# Altium PCB CSU RevA_ASCII.PcbDoc (part 3 of 5)
Units mil, origin at the board's own origin, x right, y up, seen from the top; angles counter-clockwise.
Board outline 5905.51 x 4330.71 mil, 8 copper layers (Top Layer, InternalPlane1, MidLayer1, InternalPlane2, MidLayer2, InternalPlane3, MidLayer3, Bottom Layer); 264 components, 385 nets, 1908 pads, 1139 vias.
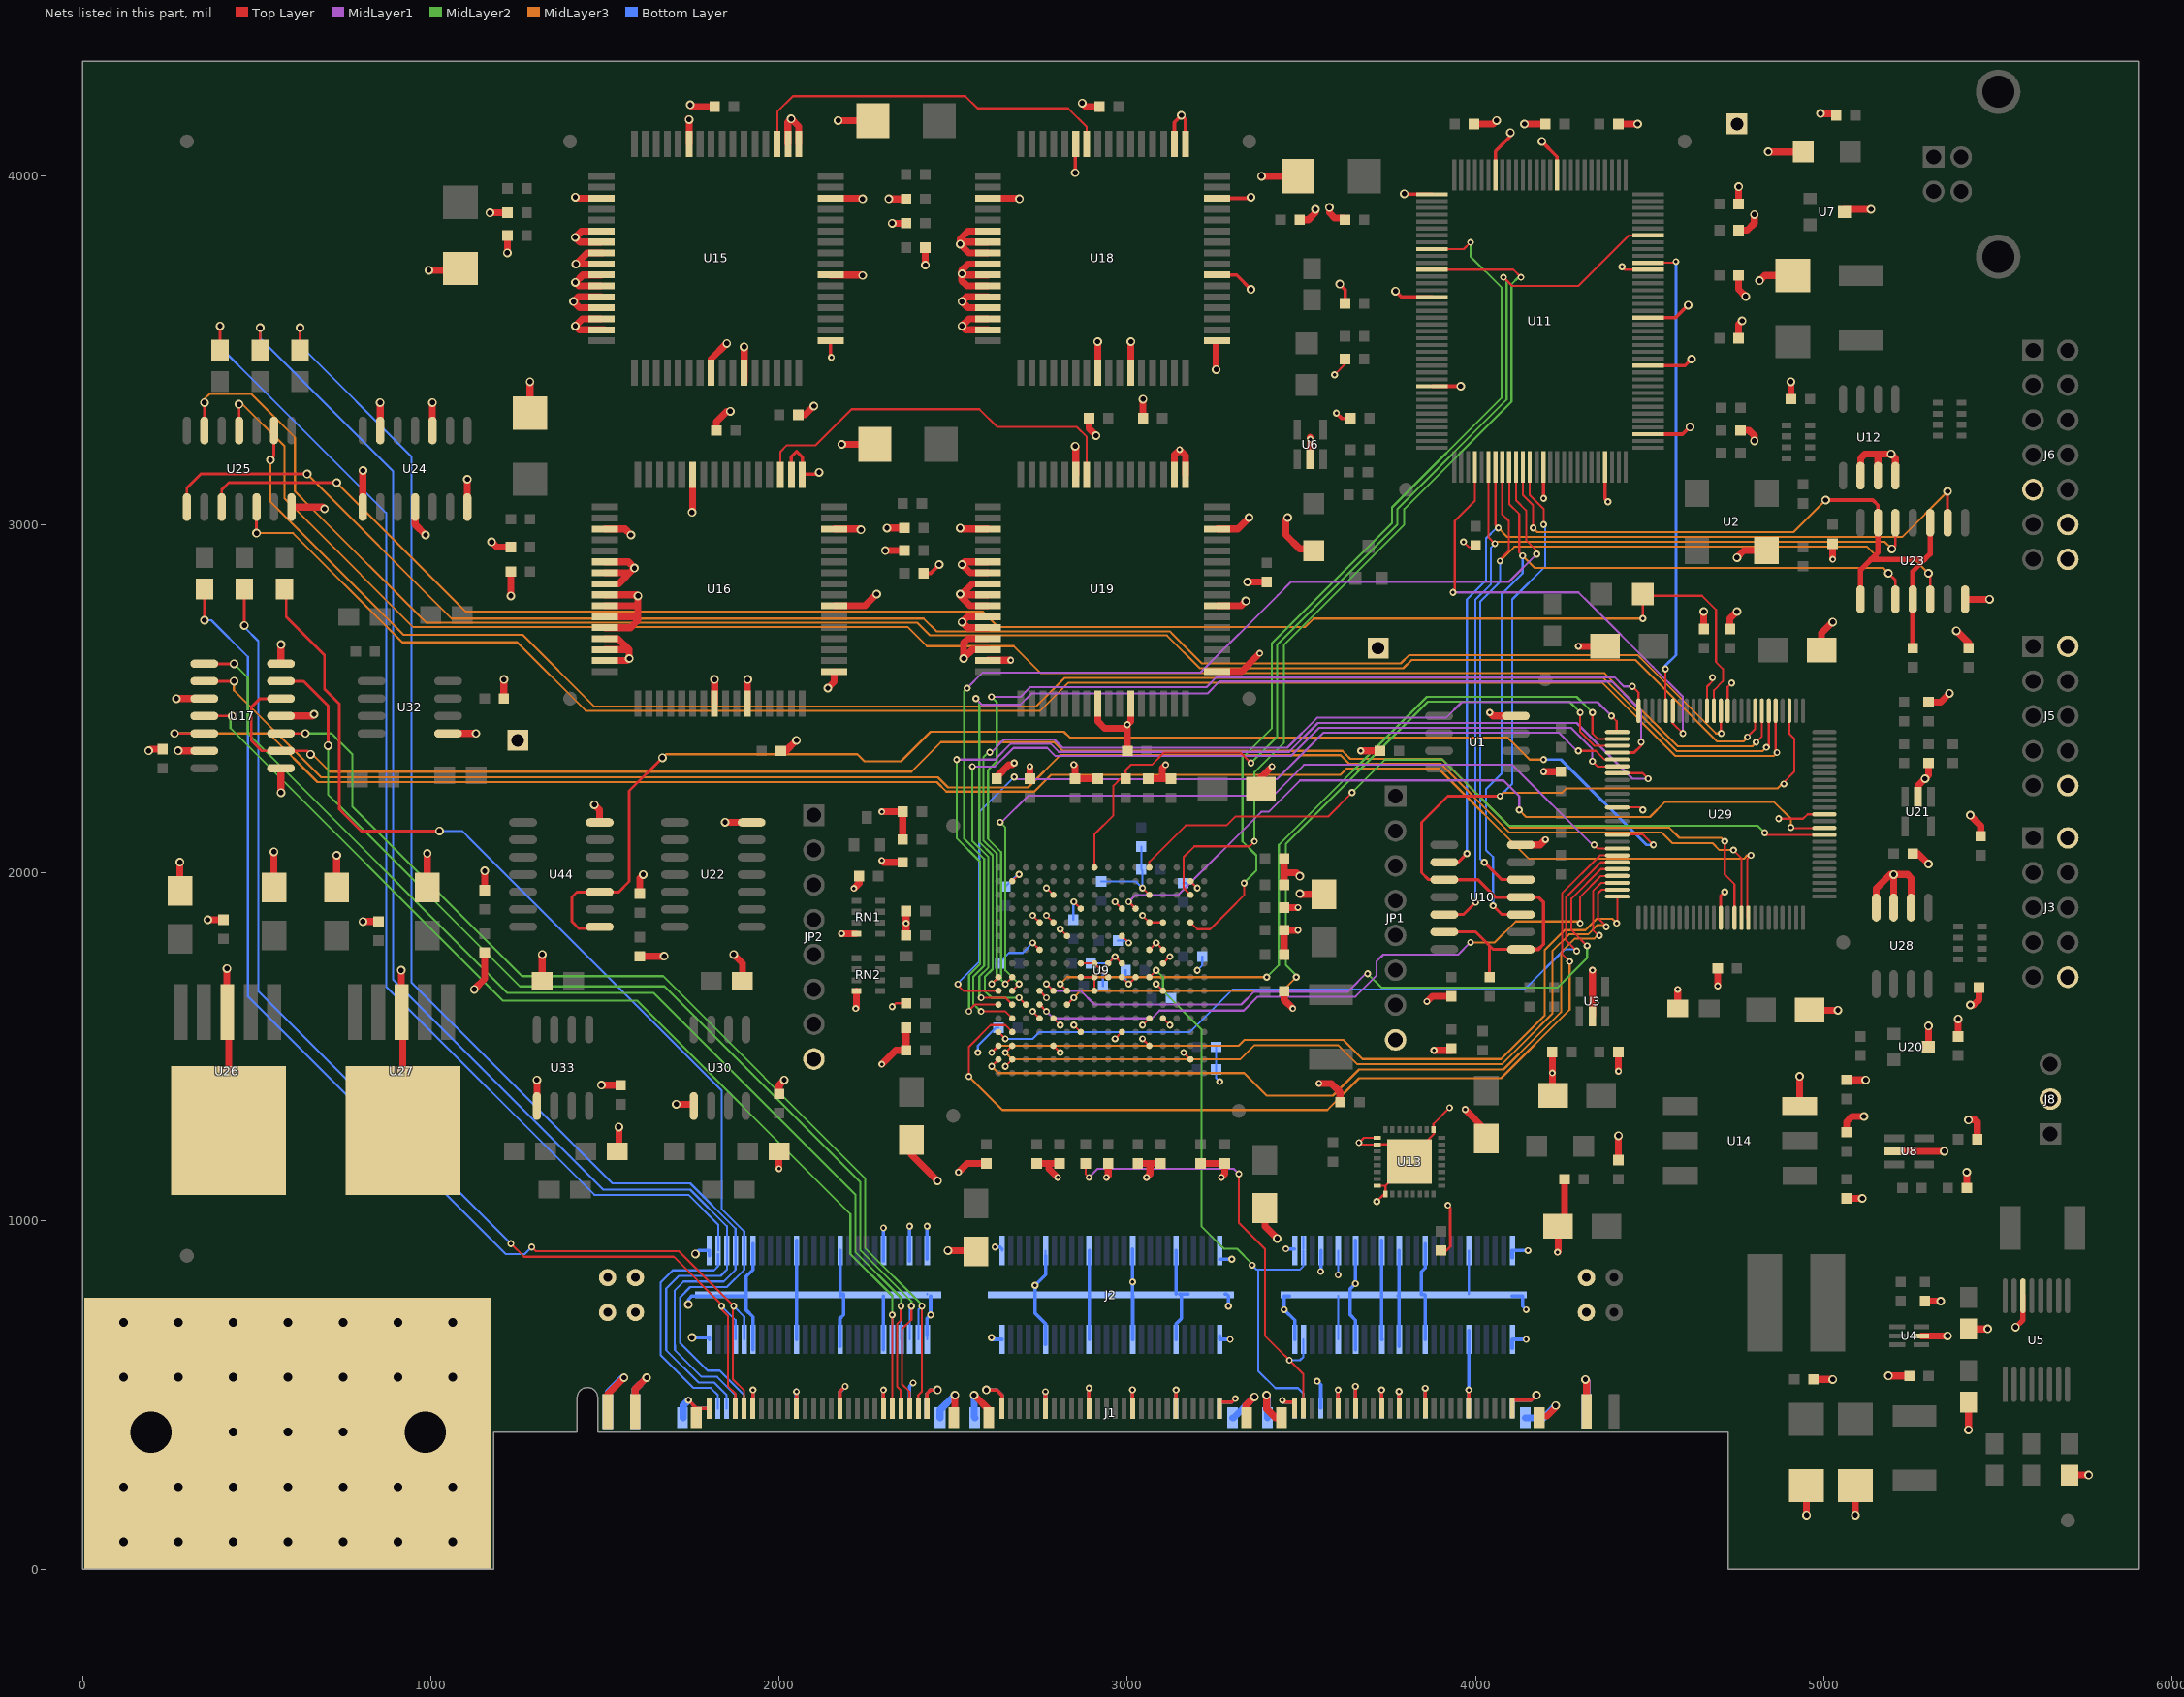
[diagram p9: the nets of this part, all layers, seen from the top]

## Via types
v1: diameter 20, hole 10, Top Layer to Bottom Layer, 641 vias
v2: diameter 25, hole 15, Top Layer to Bottom Layer, 346 vias
v3: diameter 20, hole 10, Top Layer to Bottom Layer, tented top, 151 vias
v4: diameter 20, hole 10, Top Layer to Bottom Layer, tented bottom, 1 vias

## Nets (pads, with @x,y where several pads share a name; then routed paths per layer and width w, separated by ;. In a path a pad name is that pad's centre, name@x,y a point inside that pad or via, vN(x,y) a via of type N, cw(c..) or ccw(c..) an arc to the next point about the centre after c; other vN are vias at no path point) (continued)
FP_SEL_0_N: U9.D11 U29.86 | length 2300.3
  Top Layer w6: v3(3004.02,1916.57) U9.D11@3023.7,1896.89 ; v1(4905,2130) 4906.61,2128.39 U29.86@5001.02,2128.39
  MidLayer1 w6: v3(3004.02,1916.57) 3023.7,1936.26 3146.26,1936.26 3385,2175 3405.91,2175 3495.91,2265 4080,2265 4125,2220 v1(4125,2180)
  MidLayer3 w6: v1(4125,2180) 4145,2160 4500,2160 4544,2204 4856,2204 4905,2155 v1(4905,2130)
FP_SEL_1_N: U9.A12 U29.85 | length 2165.6
  Top Layer w6: U9.A12@3063.07,2015 3063.07,2031.43 3167.64,2136 3284.94,2136 3309.94,2161 3576,2161 v1(3645,2230) ; v1(4830,2115) 4836.3,2108.7 U29.85@5001.02,2108.7
  MidLayer2 w6: v1(3645,2230) 3740,2325 3905,2325 4095,2135 4810,2135 v1(4830,2115)
FPGA_RESET_N: U9.M2 U11.112 | length 3145.1
  Top Layer w6: v1(2580,1601.61) 2649.68,1601.61 U9.M2@2669.37,1581.93 ; U11.112@4115.83,3165.63 4115.83,3069.17 4145,3040 4145,2955 4175,2925 v1(4175,2915)
  MidLayer1 w6: v1(2540,2530) 2585,2575 3210,2575 3431.86,2796.86 3470,2835 4095,2835 v1(4175,2915)
  MidLayer2 w6: v1(2540,2530) 2531.57,2521.57 2531.57,2097.45 2589,2040.03 2589,1732.94 2557.63,1701.57 2557.63,1623.99 v1(2580,1601.61)
FPGA_SEL_N: R21.1 U10.1 U10.4 U10.10 U10.13 U11.114 U29.3 | length 3390.2
  Top Layer w6: U11.114@4155.2,3165.63 4155.2,3085 4195,3045.2 v1(4195,3000) ; v1(4885,2255) 4884.5,2255.5 4880.5,2255.5 4915,2290 4915,2384.8 4900.63,2399.17 U29.3@4900.63,2465
  Top Layer w8: U10.10@3900,1980 3865,1980 3845,2000 3845,2145 3920,2220 v1(4070,2220) ; U10.13@3910,1830 4000,1830 4050,1780 U10.1@4135,1780 ; R21.1@4039.99,1700 4039.99,1790.01
  Top Layer w10: U10.10@3900,1980 4007.14,1980 4057.14,1930 4180,1930 4195,1915 4195,1795 4180,1780 U10.1@4135,1780
  MidLayer3 w6: v1(4070,2220) 4080,2230 4248.03,2230 4260.03,2242 4867,2242 4880,2255 v1(4885,2255)
  Bottom Layer w6: v1(4070,2220) 4105,2255 4105,2785 4200,2880 4200,2995 v1(4195,3000)
FRAME_START: U9.E15 U11.73 | length 2585.1
  Top Layer w6: U9.E15@3181.18,1857.52 3200.87,1837.83 3237.83,1837.83 3292.93,1892.93 3335,1935 v1(3335,1970) ; U11.73@3865,3790 U11.73@3875,3790 ; U11.73@3874.45,3790.87 3965.87,3790.87 v1(3985,3810)
  MidLayer2 w6: v1(3335,1970) 3340,1970 3340,1976.4 3370,2006.4 3370,2050 3330.55,2089.45 3330.55,2330.55 3415,2415 3415,2659.4 3760,3004.4 3760,3049.2 4075,3364.2 4075,3680 3985,3770 v1(3985,3810)
GAIN_4X: J1.50 J2.50 U9.J12 | length 1735
  Top Layer w6: U9.J12@3063.07,1700.04 v3(3082.76,1719.72)
  MidLayer2 w6: v3(3082.76,1719.72) 3102.44,1700.04 3102.44,1660.67 3212.69,1550.42 3212.69,984.95 3264.02,933.62 3277.64,920 3315,920 3358.35,876.65 v1(3358.35,873.27)
  Bottom Layer w6: v1(3358.35,873.27) 3371.61,860 3495,860 3505.51,870.51 J2.50@3505.51,914.96 ; 3376,860 3376,569 3425.01,519.99 3490.01,519.99 3505,505 3505,463.05 J1.50@3505.21,462.85 ; J2.50@3505.51,920 J2.50@3505.51,954.49
GND: C1.2 C2.2 C3.1 C4.2 C5.1 C7.2 C8.1 C9.2 C10.2 C11.2 C12.2 C13.2 C14.2 C15.1 C16.2 C18.1 C19.2 C20.1 C21.2 C22.1 C23.2 C24.2 C25.1 C26.1 C27.1 C28.1 C29.2 C30.1 C31.2 C32.2 C33.1 C34.2 C35.1 C36.1 C37.1 C38.2 C39.2 C40.2 C41.2 C42.1 C43.1 C44.1 C45.1 C46.2 C47.1 C48.1 C49.2 C50.1 C51.1 C52.1 C53.1 C54.2 C55.2 C56.2 C57.1 C58.1 C59.1 C60.1 C61.1 C62.1 C63.1 C64.1 C65.1 C66.1 C67.1 C68.2 C69.2 C70.2 C71.2 C72.2 C73.1 C74.2 C75.1 C76.1 C77.2 C78.2 C79.2 C80.2 C81.2 C82.2 C83.2 C84.2 C85.2 C86.2 C87.2 C88.2 C89.2 C90.2 C91.2 C92.2 C93.2 C94.2 C95.2 C96.2 C97.2 C98.2 C99.2 C100.1 C101.2 C102.2 C103.2 C104.2 C105.1 C106.1 C107.2 C108.2 C109.2 C110.2 C111.2 C112.2 C113.1 C114.1 C115.1 C116.1 C117.1 C118.1 C119.1 C120.1 C121.1 C122.1 C123.1 C124.1 C125.1 C126.2 C127.2 C128.1 C129.1 C130.1 C131.1 C132.1 C133.1 C134.1 C135.1 C136.2 C137.2 C138.2 C140.1 C142.2 J1.0 J1.1 J1.2 J1.11 J1.12 J1.21 J1.22 J1.27 J1.28 J1.31 J1.32 J1.37 J1.38 J1.41 J1.42 J1.46 J1.51 J1.52 J1.53 J1.54 J1.63 J1.64 J1.73 J1.74 J1.83 J1.84 J1.93 J1.94 J1.103 J1.104 J1.105 J1.106 J1.110 J1.115 J1.116 J1.125 J1.126 J1.135 J1.136 J1.145 J1.146 J1.155 J1.156 J1.PC03 J1.PC04 J1.PC05 J1.PC06 J1.PC07 J1.PC08 J2.1 J2.2 J2.11 J2.12 J2.21 J2.22 J2.27 J2.28 J2.31 J2.32 J2.37 J2.38 J2.41 J2.42 J2.46 J2.51 J2.52 J2.53 J2.54 J2.63 J2.64 J2.73 J2.74 J2.83 J2.84 J2.93 J2.94 J2.103 J2.104 J2.105 J2.106 J2.110 J2.115 J2.116 J2.125 J2.126 J2.135 J2.136 J2.145 J2.146 J2.155 J2.156 J2.157 J2.158 J2.159 J2.PC03 J2.PC04 J2.PC05 J2.PC06 J2.PC07 J2.PC08 J3.2 J3.10 J5.2 J5.10 J6.9 J6.12 J6.14 J8.2 JP1.8 JP2.8 L2.2 pad.0 pad.1 pad.2 pad.3 pad.4 pad.5 R8.1 R9.1 R14.1 R15.1 R17.2 R20.1 R24.1 R39.1 R42.1 R48.1 R49.1 R51.2 R54.2 RN1.8 RN2.8 TP1.1 TP2.1 TP3.1 U1.4 U2.2 U3.2 U4.5 U5.14 U6.2 U7.3 U8.2 U9.B2 U9.B15 U9.C5 U9.C12 U9.D7 U9.D10 U9.E4 U9.E5 U9.E12 U9.E13 U9.F6 U9.F10 U9.G4 U9.G12 U9.G13 U9.H7 U9.H8 U9.H9 U9.H10 U9.H13 U9.J7 U9.J8 U9.J9 U9.J10 U9.J11 U9.K4 U9.K8 U9.K13 U9.M4 U9.M5 U9.M12 U9.M13 U9.N7 U9.N10 U9.P5 U9.P12 U9.R2 U9.R15 U10.7 U11.3 U11.13 U11.20 U11.27 U11.49 U11.58 U11.65 U11.80 U11.93 U11.116 U11.125 U12.2 U12.3 U12.4 U13.1 U13.2 U13.8 U13.9 U13.25 U13.T_PAD U14.3 U15.3 U15.6 U15.7 U15.8 U15.9 U15.10 U15.11 U15.12 U15.13 U15.14 U15.15 U15.24 U15.27 U15.33 U15.39 U15.46 U15.49 U15.50 U15.59 U16.3 U16.6 U16.7 U16.8 U16.9 U16.10 U16.11 U16.12 U16.13 U16.14 U16.15 U16.24 U16.27 U16.33 U16.39 U16.46 U16.49 U16.50 U16.59 U17.1 U17.4 U17.7 U17.10 U17.13 U18.3 U18.6 U18.7 U18.8 U18.9 U18.10 U18.11 U18.12 U18.13 U18.14 U18.15 U18.24 U18.27 U18.33 U18.39 U18.46 U18.49 U18.50 U18.59 U19.3 U19.6 U19.7 U19.8 U19.9 U19.10 U19.11 U19.12 U19.13 U19.14 U19.15 U19.24 U19.27 U19.33 U19.39 U19.46 U19.49 U19.50 U19.59 U20.3 U21.2 U22.7 U23.7 U24.1 U24.4 U24.7 U24.10 U24.13 U25.7 U26. U26.3 U27. U27.3 U28.2 U28.3 U28.4 U29.12 U29.15 U29.37 U29.63 U29.88 U30.5 U32.1 U33.5 U44.7 | length 34225.3
  Top Layer w6: v2(190,2350) v2@195,2355 ; v2(915,1720) v2@916,1719 ; v1@1924.71,514.71 v1(1925,515) ; C47.1@2045,3315.01 C47.1@2055,3315.02 ; v1@2049.71,509.71 v1(2050,510) ; v2@2110,3145 v2(2115,3150) ; v1@2148,3482 v1(2150,3480) ; v1(2220,1610) v1@2222,1612 ; v2@2232.99,2987.01 v2(2235,2985) ; v1@2299.71,514.71 v1(2300,515) ; v1(2325,1615) 2335.01,1625.01 C21.2@2365,1625.01 ; C103.2@2355,2175.01 C103.2@2365,2165.01 ; v2@2520,2795 v2@2523.03,2798.03 ; v2(2520,2990) v2@2522.99,2987.01 ; v3(2649.68,1444.13) U9.R2@2669.37,1463.82 ; U9.B2@2669.37,1975.63 v3(2689.06,1995.32) ; C83.2@2720.01,2260 C83.2@2720.01,2270 ; v3(2728.43,1601.61) U9.M4@2748.11,1581.93 ; v3(2728.43,1798.46) U9.G4@2748.11,1778.78 ; v3(2728.43,1877.2) U9.E4@2748.11,1857.52 ; C96.2@2734.99,1165 C96.2@2739.99,1165 ; U9.K4@2748.11,1660.67 v3(2767.8,1640.98) ; v1@2764.86,509.86 v1(2765,510) ; v3(2767.8,1877.2) U9.E5@2787.48,1857.52 ; v3(2767.8,1955.94) U9.C5@2787.48,1936.26 ; U9.P5@2787.48,1503.19 v3(2807.17,1483.5) ; U9.M5@2787.48,1581.93 v3(2807.17,1562.24) ; v3(2807.17,1837.83) U9.F6@2826.85,1818.15 ; v3(2846.54,1562.24) U9.N7@2866.22,1542.56 ; v3(2846.54,1916.57) U9.D7@2866.22,1896.89 ; U9.J7@2866.22,1700.04 U9.J8@2905.59,1700.04 ; U9.H7@2866.22,1739.41 U9.H8@2905.59,1739.41 U9.J9@2944.96,1700.04 ; v1(2889.86,519.86) v1@2890,519.73 ; U9.K8@2905.59,1660.67 U9.J8@2905.59,1700.04 ; v3(2925.28,1719.72) U9.J8@2905.59,1700.04 ; U9.H9@2944.96,1739.41 v3(2964.65,1759.09) U9.H10@2984.33,1739.41 ; v3(2964.65,1522.87) U9.N10@2984.33,1542.56 ; v3(2964.65,1916.57) U9.D10@2984.33,1896.89 ; U9.J10@2984.33,1700.04 v3(3004.02,1680.35) U9.J11@3023.7,1700.04 ; U9.F10@2984.33,1818.15 v3(3004.02,1798.46) ; 2990,2415 3000,2415 ; U19.27@3009.45,2485 U19.27@3009.45,2486 ; v3(3043.39,1522.87) U9.P12@3063.07,1503.19 ; v3(3043.39,1562.24) U9.M12@3063.07,1581.93 ; v3(3043.39,1877.2) U9.E12@3063.07,1857.52 U9.E13@3102.44,1857.52 ; v3(3043.39,1955.94) U9.C12@3063.07,1936.26 ; U9.G12@3063.07,1778.78 v3(3082.76,1798.46) U9.G13@3102.44,1778.78 ; v3(3082.76,1680.35) U9.K13@3102.44,1660.67 ; U9.M13@3102.44,1581.93 v3(3122.13,1562.24) ; U9.H13@3102.44,1739.41 v3(3122.13,1759.09) ; v3(3161.5,1483.5) U9.R15@3181.18,1463.82 ; U9.B15@3181.18,1975 v3@3200.87,1955.32 ; C91.2@3200,1165 C91.2@3209.99,1165 ; U19.46@3258,2987.01 U19.46@3265,2987.01 ; J1.53@3264.86,461.79 3264.86,479.86 J1.53@3265,480 ; C136.2@3383,2240 3383,2268 v1@3417.5,2302.5 ; v1(3595,3430) 3625,3460 R8.1@3625,3474.99 ; v1(3605,515) v1@3605.21,514.79 ; v1(3665,1225) 3678.9,1238.9 U13.1@3717.48,1238.9 ; v1@3670.79,1219.21 U13.2@3717.48,1219.21 ; v1@3715,1055 3737.48,1077.48 U13.9@3741.1,1077.48 3741.1,1101.1 ; U13.8@3717.48,1101.1 3741.1,1101.1 ; U13.2@3720,1220 3765,1220 U13.T_PAD@3775,1210 ; v1(3730,515) v1@3730.21,514.79 ; U13.T_PAD@3755,1115 3741.1,1101.1 ; v1(3780.21,510.21) v1@3785,515 ; v2(3795,3950) v2@3796.65,3948.35 ; U13.T_PAD@3855,1225 3880,1250 U13.25@3880,1265 ; U13.25@3878.9,1262.52 3878.9,1278.9 v1(3925,1325) ; v1(3965,2950) 3980,2935 C25.1@4000,2935 ; v1@4194.57,3075.43 v1(4195,3075) ; U29.37@4406.54,2187.44 4472.56,2187.44 v1(4480,2180) ; v1(4420,3740) 4428.19,3731.81 U11.27@4495,3731.81 ; U29.15@4664.41,2465 4664.41,2534.41 4680,2550 ; U29.12@4723.46,2465 4723.46,2533.46 v1(4735,2545) ; v1(4870,2155) 4940,2155 4952.76,2167.76 U29.88@5001.02,2167.76 ; 5152.5,3202.5 5155,3200 ; C10.2@5415,2640.01 C10.2@5415,2650
  Top Layer w8: C33.1@3900.01,915 3916,915 3927,926 3927,1038 v1(3920,1045) ; U29.63@4703.78,1870.51 4703.78,1933.78 v1(4715,1945)
  Top Layer w10: v1(1740,485) 1763.21,461.79 J1.155@1799.71,461.79 ; J1.145@1925,440 v1(1925,515) ; U16.50@2035,3150 2035,3195 2050,3210 2066.93,3193.07 U16.49@2066.93,3143 ; v1@2049.71,509.71 2050,509.41 J1.135@2050,440 ; U16.49@2070,3145 v2@2110,3145 ; v1@2148,3482 U15.33@2148,3527.56 ; J1.125@2175,445 2175,510 v1(2190,525) ; v1@2299.71,514.71 2300,514.41 J1.115@2300,440 ; C51.1@2415,2860.01 2435.01,2860.01 v2(2460,2885) ; J1.105@2424.71,461.79 2425,462.08 2425,505 2435,515 v2(2455,515) ; v2(2595,515) 2625,515 2639.86,500.14 J1.103@2639.86,461.79 ; v1@2764.86,509.86 2765,509.73 J1.93@2765,440 ; v2(2850,4010) U18.59@2850,4105 ; J1.83@2890,440 v1@2890,519.73 ; v1(3014.86,515.14) 3015,515 J1.73@3015,440 ; U18.50@3135,4095 3135,4155 v2(3155,4175) 3166.93,4163.07 U18.49@3166.93,4093 ; v1(3139.86,514.86) 3140,514.73 J1.63@3140,440 ; U18.39@3258,3716.53 3313.47,3716.53 v2(3355,3675) ; U18.46@3258,3937.01 3352.01,3937.01 v2(3355,3940) ; J1.53@3264.86,479.86 3299.86,479.86 v1(3310,490) ; v1(3445,485) 3450,480 3475,480 3480.21,474.79 J1.51@3480.21,462.85 ; v1(3600,3320) 3615,3305 C22.1@3645,3305 ; J1.41@3605,445 3605,514.59 v1@3605.21,514.79 ; v2(3610,3690) 3625,3675 C20.1@3625,3634.99 ; J1.37@3655,445 v1(3655,525) ; J1.31@3730,445 3730,514.59 v1@3730.21,514.79 ; v2(3770,3670) 3786.93,3653.07 U11.80@3874.45,3653.07 ; J1.27@3780,445 3780,510 v1(3780.21,510.21) ; v2@3796.65,3948.35 U11.65@3874.45,3948.35 ; J1.21@3855,445 3855,519.59 v1(3855.21,519.79) ; U11.93@3874.45,3397.17 v2(3957.17,3397.17) ; J1.11@3980,445 3980,514.59 v1@3980.21,514.79 ; U11.58@4056.77,4003.72 4056.77,4071.77 4100,4115 v2(4100,4125) ; J1.1@4105.21,462.85 4105.21,484.79 4105,485 4160,485 v2(4175,500) ; v2(4190,4100) 4233.94,4056.06 U11.49@4233.94,4003.72 ; v1@4194.57,3075.43 U11.116@4194.57,3165.63 ; U11.125@4371.73,3165.63 4371.73,3073.27 v1(4380,3065) ; U11.3@4495,3259.37 4594.37,3259.37 v2(4615,3280) ; U11.13@4495,3456.22 4601.22,3456.22 v2(4620,3475) ; U11.20@4495,3594.02 4574.02,3594.02 v2(4610,3630)
  Top Layer w15: v2(5550,695) 5571.18,716.18 U5.14@5571.18,785
  Top Layer w20: v2@195,2355 C49.2@230.01,2355 ; v2(270,2500) U17.10@350,2500 ; v2(275,2350) U17.13@350,2350 ; C101.2@280,1950 v2(280,2030) ; v2(360,1865) C105.1@404.99,1865 ; v2(415,1725) 415,1605 420,1600 U26.@420,1260.28 ; C77.2@550,1955 v2(550,2060) ; v2(570,2230) U17.1@570,2300 ; U17.4@570,2450 660,2450 v2(665,2455) ; U17.7@570,2600 v2(570,2655) ; U25.7@600,3050 690,3050 v2(695,3045) ; C102.2@730,1955 v2(730,2050) ; v2(805,1860) C106.1@849.99,1860 ; U24.1@805,3050 v2(805,3155) ; U24.13@855,3270 v2(855,3350) ; U27.3@916,1600.29 v2@916,1719 ; U27.3@916,1610 920,1606 U27.@920,1260.28 ; U24.4@955,3055 955,3000 v2(985,2970) ; C78.2@990,1955 v2(990,2055) ; v2(995,3730) C40.2@1080,3730 ; U24.10@1005,3270 v2(1005,3350) ; U32.1@1055,2400 v2(1130,2400) ; U24.7@1105,3055 v2(1105,3130) ; v2(1125,1665) 1155,1695 C63.1@1155.01,1770 ; C71.2@1155.01,1950 v2@1155.01,2004.99 ; v2@1170.01,3894.99 C42.1@1220,3894.99 ; v2(1175,2950) 1190.01,2934.99 C43.1@1230,2934.99 ; C140.1@1210,2500.01 v2(1210,2555) ; v2(1220,3780) C44.1@1220,3829.99 ; v2(1230,2795) C45.1@1230,2864.99 ; v2(1285,3410) 1285,3335 1295,3325 C41.2@1300,3325 ; U33.5@1305,1330 v2(1305,1405) ; R49.1@1320,1690 v2(1320,1765) ; v2(1415,3940) 1417.99,3937.01 U15.3@1490,3937.01 ; v2(1470,2195) 1484.96,2180.04 U44.7@1484.96,2144.57 ; v2(1490,1390) C142.2@1545.01,1390 ; U15.14@1490,3590.55 1435.55,3590.55 v2(1415,3570) 1425.94,3559.06 U15.15@1499.06,3559.06 ; U15.13@1490,3622.05 1427.95,3622.05 v2(1410,3640) 1423.54,3653.54 U15.12@1490,3653.54 ; U15.11@1490,3685.04 1424.96,3685.04 v2(1415,3695) 1436.53,3716.53 U15.10@1490,3716.53 ; U15.9@1490,3748.03 v2(1416.97,3748.03) 1448.94,3780 U15.8@1495,3780 ; U15.7@1490,3811.02 1428.61,3811.02 v2(1414.82,3824.82) 1432.52,3842.52 U15.6@1490,3842.52 ; U16.15@1500,2609.06 1564.06,2609.06 v2(1570,2615) 1570,2638.63 1568.08,2640.55 U16.14@1500,2640.55 ; U16.13@1500,2672.05 1537.95,2672.05 1568.76,2641.24 ; U16.12@1500,2703.54 1573.54,2703.54 1595,2725 ; U16.11@1500,2735.04 1584.96,2735.04 1595,2725 ; U16.10@1500,2766.53 1591.53,2766.53 1595,2770 ; U16.9@1500,2798.03 1591.97,2798.03 v2(1595,2795) 1595,2725 ; U16.8@1500,2829.53 1539.53,2829.53 v2(1585,2875) 1567.48,2892.52 U16.6@1500,2892.52 ; U16.7@1500,2861.02 1571.02,2861.02 ; U16.3@1500,2987.01 1557.99,2987.01 v2(1575,2970) ; J1.PC07@1508.31,452.85 1508.31,503.31 v2(1555,550) ; R51.2@1540,1200 v2(1540,1270) ; J1.PC05@1590,455.64 J1.PC05@1587.21,452.85 1587.21,517.21 v2(1620,550) ; C76.1@1600.01,1760 v2(1670,1760) ; C75.1@1599.99,1940 1599.99,1984.99 v2(1610,1995) ; v2(1705,1335) U30.5@1755,1335 ; v2@1740,4165 v2(1741.97,4163.03) U15.59@1741.97,4093 ; v2(1745,4205) 1750,4200 C52.1@1815,4200 ; v2(1750,3035) 1751.97,3036.97 U16.59@1751.97,3143 ; U15.24@1805,3420 1805,3475 v2(1850,3520) ; U16.24@1814.96,2486 1814.96,2554.96 v2(1815,2555) ; C53.1@1820,3269.99 1820,3295 1850,3325 v2(1860,3325) ; v2(1845,2145) 1845.43,2144.57 U22.7@1921.14,2144.57 ; v2(1870,1765) 1895,1740 R48.1@1895,1690 ; U15.27@1900,3410 v2(1900,3510) ; U16.27@1909.45,2486 1909.45,2554.45 v2(1910,2555) ; v1(2000,1150) R54.2@2000,1200 ; C137.2@2000.01,1365 2000.01,1390.01 v2(2015,1405) ; C48.1@2005,2350.01 2020.01,2350.01 v2(2050,2380) ; U15.50@2025.43,4093 2025.43,4155.43 v2(2035,4165) 2056.93,4143.07 U15.49@2056.93,4093 ; C47.1@2055,3315.02 2075.02,3315.02 v2(2100,3340) ; v2(2140,2530) 2158,2548 U16.33@2158,2577.56 ; U15.39@2148,3716.53 2238.47,3716.53 v2(2240,3715) ; U15.46@2148,3937.01 v2@2237.99,3937.01 ; U16.39@2158,2766.53 2246.53,2766.53 v2(2280,2800) ; U16.46@2158,2987.01 v2@2232.99,2987.01 ; v2(2170,4160) C55.2@2270,4160 ; v1(2180,1825) RN1.8@2220,1825 ; v2(2180,3230) C56.2@2270,3230 ; v1(2215,1955) 2230,1970 C46.2@2230,1990.01 ; v1@2222,1612 RN2.8@2222,1660 ; v1(2295,1450) 2335.01,1490.01 C99.2@2365,1490.01 C132.1@2365,1554.99 ; v1(2295,2035) 2299.99,2030.01 C98.2@2355,2030.01 ; v1(2295,2175) C103.2@2355,2175.01 C54.2@2355,2095.01 ; v2@2305.01,2924.99 C58.1@2360,2924.99 ; v2@2310.01,2989.99 C60.1@2360,2989.99 ; v2@2315.01,3934.99 C59.1@2365,3934.99 ; v2@2325.01,3864.99 C57.1@2365,3864.99 ; C14.2@2365,1820.01 C134.1@2365,1884.99 ; C126.2@2380,1230 2380,1190 v2(2455,1115) ; v2(2420,3745) C50.1@2420,3795.01 ; v2(2485,915) C109.2@2565,915 ; J1.0@2502.21,434.79 2505,437.58 v2(2505,500) ; v1(2515,1140) 2540,1165 C97.2@2594.99,1165 ; v2@2520,2795 2548.47,2766.53 U19.10@2600,2766.53 ; v2@2522.99,2987.01 U19.3@2600,2987.01 ; v2(2525,3720) 2528.47,3716.53 U18.10@2600,3716.53 ; v2(2560,500) 2600,460 J1.0@2600,435 ; U19.15@2600,2610 v1(2665,2610) ; U19.14@2600,2640.55 2555.55,2640.55 v2(2530,2615) 2530,2660 2542.05,2672.05 U19.13@2600,2672.05 ; U19.12@2600,2703.54 2541.46,2703.54 v2(2525,2720) 2540.04,2735.04 U19.11@2600,2735.04 ; U19.9@2600,2798.03 2523.03,2798.03 2554.53,2829.53 U19.8@2605,2829.53 ; U19.7@2600,2861.02 2548.98,2861.02 v2(2525,2885) 2532.52,2892.52 U19.6@2600,2892.52 ; U18.15@2600,3559.06 2535.94,3559.06 v2(2525,3570) 2545.55,3590.55 U18.14@2600,3590.55 ; U18.13@2600,3622.05 2542.95,3622.05 v2(2525,3640) 2538.54,3653.54 U18.12@2600,3653.54 ; U18.11@2600,3685.04 2599.96,3685 2540,3685 2525,3700 2525,3730 2543.03,3748.03 U18.9@2600,3748.03 ; U18.8@2600,3779.53 2599.53,3780 2545,3780 v2(2520,3805) ; U18.7@2600,3811.02 2526.02,3811.02 v2(2520,3805) ; U18.6@2600,3842.52 2542.52,3842.52 2520,3820 v2(2520,3805) ; U18.3@2600,3937.01 2687.99,3937.01 v2(2690,3935) ; C82.2@2625.01,2270 2625.01,2275.01 2660,2310 2670,2310 v1(2675,2315) ; C83.2@2720.01,2270 v1@2720.01,2304.99 ; C96.2@2739.99,1165 C95.2@2804.99,1165 ; 2775,1165 2775,1150 v1(2800,1125) ; v1(2846.54,2310.28) 2850.01,2306.8 C81.2@2850.01,2270 C84.2@2915.01,2270 ; v2(2850,3225) 2851.97,3223.03 U19.59@2851.97,3143 ; v2(2870,4210) 2880.01,4199.99 C61.1@2920,4199.99 C61.1@2920,4195 ; C67.1@2890,3310 2890,3275 v2(2910,3255) ; U19.24@2914.96,2486 2914.96,2435.04 2935,2415 2990,2415 3009.45,2434.45 U19.27@3009.45,2486 ; U18.24@2915,3440 v2(2915,3525) ; v1(2940,1125) 2945.01,1130.01 R20.1@2945.01,1165 ; C62.1@3000,2349.99 3000,2415 ; U18.27@3010,3440 v2(3010,3525) ; C94.2@3029.99,1165 C93.2@3099.99,1165 ; C66.1@3045,3305 v2(3045,3360) ; v1(3055,1125) 3065,1135 3065,1165 ; C86.2@3060.01,2270 C85.2@3125.01,2270 ; 3100,2270 3100,2300 v1(3110,2310) ; U19.50@3135.43,3143 3135.43,3200.43 v1(3150,3215) 3166.93,3198.07 U19.49@3166.93,3143 ; C91.2@3209.99,1165 C92.2@3279.99,1165 3279.99,1135.01 v1(3270,1125) ; v2(3255,3445) U18.33@3255,3527.56 ; U19.33@3258,2577.56 3327.56,2577.56 v1(3380,2630) ; U19.39@3258,2766.53 3326.53,2766.53 v2(3340,2780) ; U19.46@3258,2987.01 3317.01,2987.01 v2(3350,3020) ; J1.0@3340,435 3340,470 v2(3365,495) ; v2(3345,2835) C65.1@3400.01,2835 ; C136.2@3383,2240 3383,2273 v1(3415,2305) ; v2(3385,4000) 3385.22,4000.22 3460,4000.22 3474.78,4015 C32.2@3490,4015 ; C111.2@3395,1045 3395,985 v2(3430,950) ; v2(3400,500) 3400,460 3425,435 J1.0@3440,435 ; C130.1@3450,1660.01 3450,1635 v1(3475,1610) ; C90.2@3450,1765 C128.1@3450,1835.01 v1(3490,1835) ; C89.2@3450,1899.99 v1@3489.99,1899.99 ; C88.2@3450,1965 C87.2@3450,2039.99 ; 3450,2000 3485,2000 v2(3495,1990) ; v2(3460,3020) 3455,3015 3455,2970 3495,2930 C2.2@3535,2930 ; v2(3495,1940) 3497,1938 C127.2@3565,1938 3577,1950 C127.2@3580,1950 ; C64.1@3495,3875.01 3520.01,3875.01 3540,3895 v2(3540,3905) ; U6.2@3525,3187.68 v1@3525,3250 ; v1(3550,1395) 3585,1395 3610,1370 C36.1@3610,1340 ; v2(3580,3910) 3580,3895 3595,3880 C18.1@3625,3880 ; v1(3670,2350) C11.2@3725,2350.01 ; v1(3860,1630) 3875,1645 C23.2@3929.99,1645 ; v1(3880,1490) R42.1@3930.01,1490 ; v1(3970,1320) 4030,1260 C29.2@4030,1235 ; C15.1@3995,4150.01 4049.99,4150.01 v2(4060,4160) ; v1(4040,2460) 4050,2450 U1.4@4115,2450 ; U10.7@4130,2080 4185,2080 v1(4200,2095) ; v2@4140.01,4149.99 C30.1@4200,4149.99 ; J1.0@4182.21,434.79 4187.42,440 4205,440 4230,465 v2(4230,470) ; v1(4195,2290) C79.2@4245.01,2290 ; C1.2@4220,1355 C8.1@4220,1484.99 ; v1(4235,910) 4237,912 C31.2@4237,985 4255,1003 C35.1@4255,1119.99 ; v1(4295,2650) C70.2@4372,2650 ; v2(4315,545) 4318.31,541.69 J1.PC03@4318.31,453.35 ; U3.2@4335,1590 v1(4335,1720) ; C38.2@4410.01,1175 v2(4410,1245) ; v1(4410,1430) C3.1@4410,1485.01 ; C28.1@4410,4150.01 v2(4465,4150) ; C110.2@4580,1605 v1(4580,1665) ; C73.1@4654.99,2700 v2(4655,2750) ; v1(4695,1675) C113.1@4695,1724.99 ; C72.2@4730.01,2700 4730.01,2730.01 v2(4750,2750) ; v2(4750,2905) 4770,2925 U2.2@4834.94,2925 4840,2930.06 U2.2@4840,2935 ; R17.2@4750,3850 R17.2@4755,3850 ; C9.2@4755,3534.99 4755,3575 v2(4765,3585) ; C27.1@4755,3720 4755,3675 v2(4775,3655) ; R17.2@4755,3844.99 4779.99,3844.99 4800,3865 v2(4800,3890) ; R9.1@4755,3920.01 v2(4755,3970) ; C26.1@4760,3270.01 4784.99,3270.01 4800,3255 v2(4800,3240) ; v2(4815,3700) 4830,3715 C13.2@4910,3715 ; v2(4840,4070) L2.2@4940,4070 ; C39.2@4905,3360.01 v2(4905,3410) ; U14.3@4930,1330 v2(4930,1415) ; C104.2@4949.78,234.78 C104.2@4950,235 ; v2@4950,160.37 C104.2@4950,245 ; C112.2@4958,1605 v2(5040,1605) ; C100.1@4970,545.01 v2(5025,545) ; C69.2@4980,2640 C69.2@4993,2640 4993,2688 v2(5025,2720) ; v2(4990,4180) C5.1@5035,4180 ; v1(5025,2900) C68.2@5024.99,2945 ; U7.3@5055,3905 v2(5135,3905) ; U7.3@5058.43,3897.6 U7.3@5065.83,3905 ; C37.1@5065.01,1065 v2(5110,1065) ; C34.2@5065.01,1255 5065.01,1285.01 5080,1300 v2(5115,1300) ; R24.1@5064.99,1405 v2(5120,1405) ; C107.2@5089.78,240.15 5089.78,155.22 v2(5090,155) ; U12.2@5105,3135 5105,3190 5117.5,3202.5 v2(5192.5,3202.5) 5205,3190 U12.4@5205,3140 ; U28.4@5150,1900 5150,1955 5190,1995 5240,1995 5250,1985 U28.2@5250,1900 ; U12.3@5155,3140 5155,3200 ; v2(5185,555) C7.2@5245,555.01 ; U28.3@5200,1900 v2(5200,1995) ; U8.2@5205,1200 v2(5345,1200) ; C80.2@5255,2054.99 5270.01,2054.99 v2(5300,2025) ; U21.2@5270,2217.32 5270,2250 5300,2280 C74.2@5299.99,2315 ; U4.5@5279.45,670 v2(5355,670) ; R15.1@5290.01,770 v2(5335,770) ; U20.3@5300,1500 v2(5300,1560) ; R39.1@5299.99,2490 5335,2490 v2(5360,2515) ; v2(5380,2695) 5415,2660 C10.2@5415,2650 ; C138.2@5385.01,1530 v2@5385.01,1579.99 ; U23.7@5405,2785 v2(5475,2785) ; R14.1@5410,1090 v2(5410,1140) ; v2(5415,400) C19.2@5415,480 ; C4.2@5415,690 v2(5470,690) ; v2(5415,1290) 5435,1290 5440,1285 C24.2@5440,1234.99 ; v2(5420,1620) 5430,1620 5445,1635 C108.2@5445,1669.99 ; v2(5420,2165) 5450.01,2134.99 C12.2@5450.01,2105 ; C16.2@5705,270 v2(5760,270)